# KiCad board Keyboard.kicad_pcb (continued)
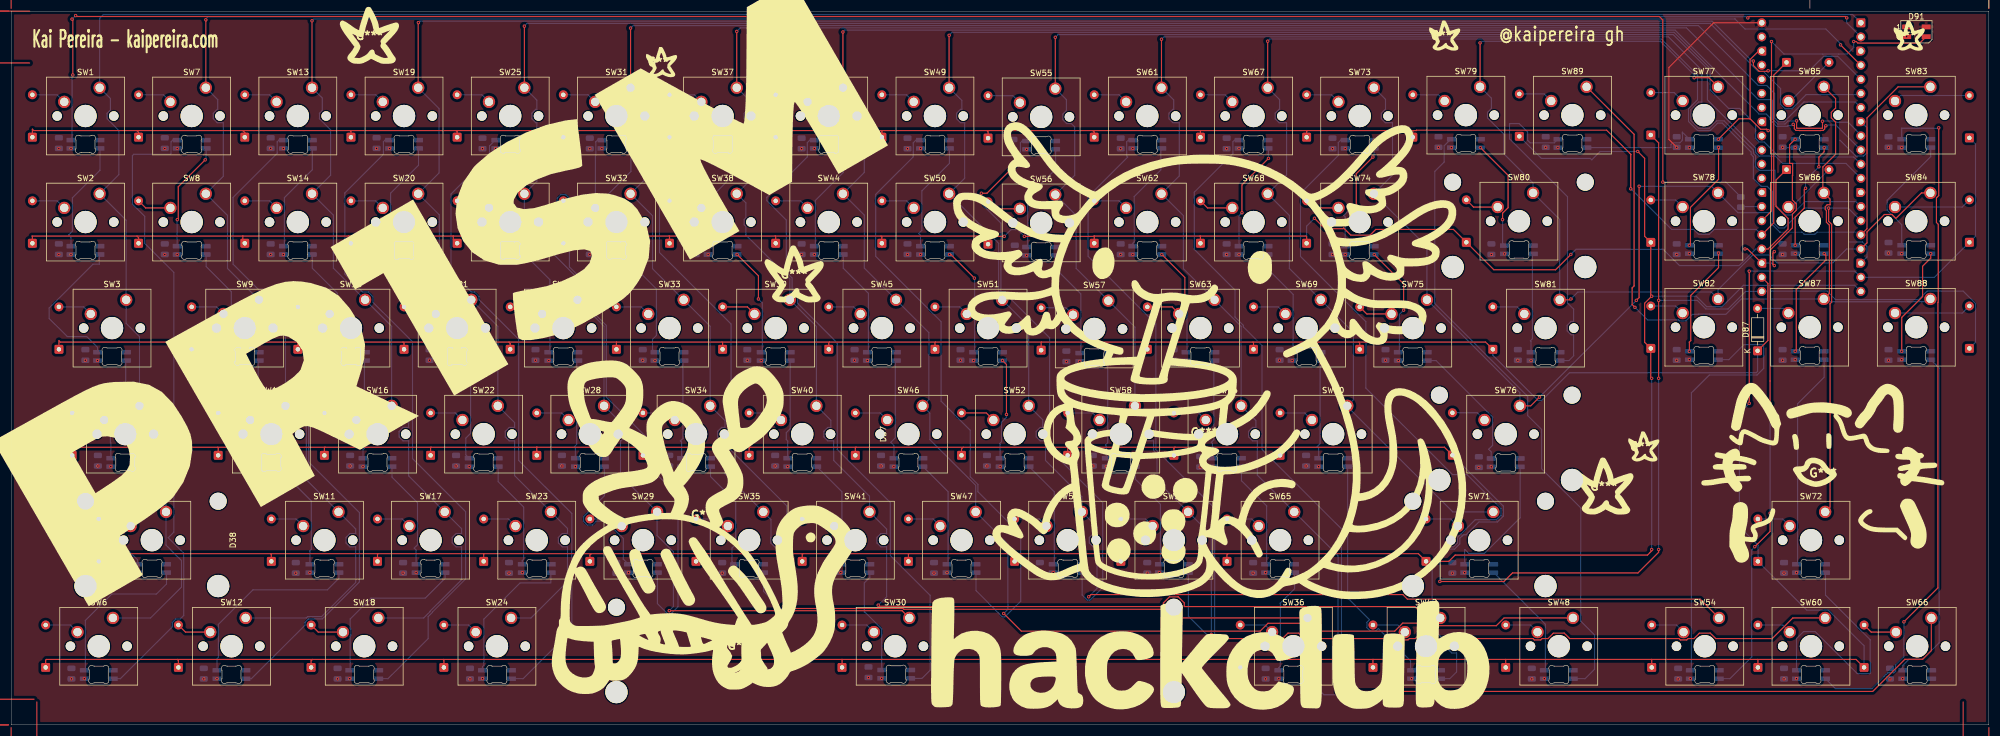
[diagram p0: board, top side]
## Routing (per net, layer and track width the routed paths; a pad name or vN(x,y) marks a point on that pad's centre or on a via; arc(x,y) is an arc through that point) (continued)
POWER LED: length 63.9
  Top w0.2: U1.26 315.81,92.32 v1(315.81,122.76) ; v1(330.56,122.76) 331.03,122.76 331.3,122.49 342.42,122.49 D91.3 343.56,123.76
  Bottom w0.2: v1(330.56,122.76) 330.56,121.69 329.38,120.51 327.87,120.51 327.87,120.51 325,120.51 325,120.51 318.06,120.51 v1(315.81,122.76)
Row 0: length 487.1
  Top w0.2: 294.31,11.76 294.32,11.75 D54.1 ; 294.31,11.76 313.31,11.76 ; 294.31,11.76 268.06,11.76 ; D18.1 53.82,11.51 54.06,11.76 ; D48.1 268.13,11.69 268.06,11.76 ; 313.31,11.76 313.37,11.7 D60.1 ; 313.31,11.76 330.99,11.76 D66.1 ; 149.06,11.76 220.56,11.76 ; 149.06,11.76 149.07,11.75 D30.1 ; 149.06,11.76 77.56,11.76 ; 220.56,11.76 244.31,11.76 ; 220.56,11.76 220.5,11.7 D36.1 ; D6.1 6.19,11.63 6.31,11.76 29.81,11.76 ; 244.31,11.76 244.32,11.75 D42.1 ; 244.31,11.76 268.06,11.76 ; 29.81,11.76 30,11.56 D12.1 ; 29.81,11.76 54.06,11.76 ; v1(311.81,57.76) v1(311.81,81.51) ; 54.06,11.76 77.56,11.76 ; 77.56,11.76 77.63,11.69 D24.1
  Bottom w0.2: v1(311.81,81.51) 330.74,81.51 U1.19 345.02,80.41 D84.1 352.41,87.8 352.41,104.35 D83.1 ; D66.1 332.42,14.21 326.02,20.61 322.13,20.61 D72.1 313.41,29.41 313.41,32.26 310.06,35.61 310.06,56.01 v1(311.81,57.76)
Row 1: length 433.6
  Top w0.2: 46.56,30.76 65.81,30.76 ; 46.56,30.76 46.67,30.65 D11.1 ; 46.56,30.76 15.81,30.76 15.72,30.66 D5.1 ; 65.81,30.76 65.72,30.67 D17.1 ; 65.81,30.76 84.81,30.76 ; v1(291.81,103.01) 293.05,101.76 293.05,87.78 D78.1 294.16,77.16 v1(294.31,77.01) 293.05,75.75 293.05,68.73 D82.1 294.16,62.41 v1(294.31,62.26) ; 199.06,30.76 199.07,30.75 D59.1 ; 199.06,30.76 218.31,30.76 ; 199.06,30.76 179.81,30.76 ; 218.31,30.76 218.12,30.57 D65.1 ; 218.31,30.76 252.45,30.76 D71.1 257.93,29.37 259.06,30.51 293.56,30.51 294.31,31.26 v1(294.31,31.51) ; 104.06,30.76 122.56,30.76 ; 104.06,30.76 103.82,30.52 D29.1 ; 104.06,30.76 84.81,30.76 ; 122.56,30.76 122.87,30.45 D35.1 ; 122.56,30.76 142.06,30.76 ; 179.81,30.76 161.06,30.76 ; 179.81,30.76 180.02,30.55 D53.1 ; 161.06,30.76 160.97,30.67 D47.1 ; 161.06,30.76 142.06,30.76 ; 142.06,30.76 141.92,30.62 D41.1 ; D23.1 84.77,30.72 84.81,30.76
  Bottom w0.2: D89.1 274.54,101.76 283.31,101.76 283.56,101.51 285.06,103.01 v1(291.81,103.01) ; v1(294.31,31.51) v1(294.31,62.26) ; v1(294.31,77.01) 302.31,77.01 304.2,75.12 306.92,75.12 310.77,78.97 330.74,78.97 U1.20
Row 2: length 487.6
  Top w0.2: D58.1 189.55,49.61 189.81,49.88 ; D52.1 170.5,49.56 170.81,49.88 ; 170.81,49.88 189.81,49.88 ; 170.81,49.88 151.56,49.88 ; 189.81,49.88 208.81,49.88 ; v1(295.56,62.26) v1(295.56,76.26) 295.56,104.56 D77.1 ; 113.31,49.88 132.56,49.88 ; 113.31,49.88 113.35,49.84 D34.1 ; 113.31,49.88 94.31,49.88 ; 132.56,49.88 151.56,49.88 ; 132.56,49.88 132.4,49.71 D40.1 ; D4.1 10.95,50.15 11.06,50.26 11.44,49.88 37.06,49.88 ; 227.56,49.88 227.65,49.79 D70.1 ; 227.56,49.88 208.81,49.88 ; 227.56,49.88 257.13,49.88 D76.1 ; 151.56,49.88 151.45,49.76 D46.1 ; D22.1 75.25,49.81 75.31,49.88 ; 94.31,49.88 94.3,49.86 D28.1 ; 94.31,49.88 75.31,49.88 ; 208.81,49.88 208.6,49.66 D64.1 ; 75.31,49.88 56.31,49.88 ; D10.1 37.15,49.79 37.06,49.88 ; 37.06,49.88 56.31,49.88 ; 56.31,49.88 56.2,49.76 D16.1 ; v1(295.56,31.51) 295.56,31.01 291.85,27.29 269.35,27.29 267.81,25.76 v1(256.31,25.76)
  Bottom w0.2: v1(295.56,31.51) v1(295.56,62.26) ; D88.1 352.41,68.73 352.41,75.7 350.2,77.92 343.74,77.92 342.23,76.41 327.29,76.41 325.78,77.92 314.11,77.92 U1.21 311.17,77.87 308.02,74.72 304.04,74.72 302.5,76.26 v1(295.56,76.26) ; D76.1 267.71,39.3 267.71,37.51 266.65,36.46 263.32,36.46 261.02,34.15 260.54,34.15 260.3,33.92 260.29,33.92 259.89,33.51 259.89,32.52 258.95,31.58 257.95,31.58 257.23,30.86 256.73,30.86 256.31,30.44 v1(256.31,25.76)
Row 3: length 347.9
  Top w0.2: D69.1 222.88,68.7 222.81,68.77 ; D27.1 89.53,68.55 89.31,68.77 ; 89.31,68.77 70.31,68.77 ; 89.31,68.77 108.56,68.77 ; 127.56,68.77 127.64,68.7 D39.1 ; 127.56,68.77 108.56,68.77 ; 127.56,68.77 146.81,68.77 ; 203.81,68.77 203.84,68.75 D63.1 ; 203.81,68.77 222.81,68.77 ; 203.81,68.77 184.81,68.77 ; D45.1 146.69,68.64 146.81,68.77 ; 165.81,68.77 184.81,68.77 ; 165.81,68.77 146.81,68.77 ; 165.81,68.77 165.74,68.69 D51.1 ; 184.81,68.77 184.78,68.74 D57.1 ; 222.81,68.77 241.81,68.77 ; 241.81,68.77 264.51,68.77 D81.1 ; 241.81,68.77 241.94,68.65 D75.1 ; 70.31,68.77 51.56,68.77 ; 70.31,68.77 70.48,68.6 D21.1 ; D9.1 32.38,68.7 32.31,68.77 ; D3.1 8.57,69 8.8,68.77 32.31,68.77 ; 51.56,68.77 51.44,68.64 D15.1 ; 51.56,68.77 32.31,68.77 ; D33.1 108.58,68.75 108.56,68.77 ; U1.22 315.16,79.31 315.16,69.05 D87.1
  Bottom w0.2: D81.1 265.81,66.41 273.96,58.26 274.56,58.26 279.56,63.26 313.06,63.26 313.31,63.51 D87.1
Row 4: length 360.6
  Top w0.2: D68.1 213.36,87.77 213.31,87.82 ; 22.56,87.82 41.56,87.82 ; 22.56,87.82 3.75,87.82 3.81,87.76 D2.1 ; 22.56,87.82 22.86,87.52 D8.1 ; 41.56,87.82 60.56,87.82 ; 41.56,87.82 41.56,86.87 D14.1 ; 175.26,87.77 175.27,87.76 v1(178.16,87.76) ; 175.26,87.77 D56.1 ; 175.26,87.77 175.31,87.82 156.06,87.82 ; 118.06,87.82 137.06,87.82 ; 118.06,87.82 98.56,87.82 ; 118.06,87.82 118.11,87.77 D38.1 ; 137.06,87.82 137.16,87.72 D44.1 ; 137.06,87.82 156.06,87.82 ; 98.56,87.82 99.06,87.32 D32.1 ; 98.56,87.82 79.31,87.82 ; 60.56,87.82 60.56,86.92 D20.1 ; 60.56,87.82 79.31,87.82 ; D86.1 316.61,97.87 316.61,93.15 318.78,90.98 318.78,89.07 315.19,85.49 U1.24 ; 156.06,87.82 156.21,87.67 D50.1 ; v1(181.78,87.76) 194.25,87.76 194.31,87.82 ; 194.31,87.82 194.31,87.82 D62.1 ; 194.31,87.82 213.31,87.82 ; 79.31,87.82 79.31,87.22 D26.1 ; D74.1 232.41,87.72 232.31,87.82 213.31,87.82 ; v1(233.81,91.01) 235.69,89.13 238.93,89.13 239.06,89.26 240.34,87.98 243.78,87.98 244.81,89.01 258.75,89.01 D80.1 266,81.76 277.06,81.76 v1(279.81,84.51)
  Bottom w0.2: U1.24 312.98,85.49 310,82.51 299.3,82.51 296.36,85.45 280.75,85.45 v1(279.81,84.51) ; D74.1 232.41,89.6 v1(233.81,91.01) ; v1(181.78,87.76) 180.53,89.01 180.24,89.01 180.2,88.97 179.38,88.97 v1(178.16,87.76)
Row 5: length 373.5
  Top w0.2: 22.56,106.76 41.56,106.76 ; 22.56,106.76 22.86,106.46 D7.1 ; 22.56,106.76 4.06,106.76 3.81,107.01 3.81,107 D1.1 ; 41.56,106.76 41.91,106.41 D13.1 ; 41.56,106.76 60.81,106.76 ; D55.1 175.26,106.56 175.06,106.76 ; 251.31,106.76 251.46,106.61 D79.1 ; 251.31,106.76 252.06,106.76 252.13,106.83 286.24,106.83 290.56,102.51 290.56,102.41 290.56,102.41 v1(290.56,96.3) ; 251.31,106.76 232.56,106.76 ; 232.56,106.76 232.41,106.6 D73.1 ; 232.56,106.76 213.31,106.76 ; D49.1 156.21,106.65 156.31,106.76 ; D37.1 118.11,106.55 118.31,106.76 ; 156.31,106.76 175.06,106.76 ; 156.31,106.76 136.81,106.76 ; 118.31,106.76 136.81,106.76 ; 118.31,106.76 98.81,106.76 ; 136.81,106.76 137.16,106.41 D43.1 ; D67.1 213.36,106.71 213.31,106.76 ; U1.25 316.21,90.18 316.21,116.72 D85.1 ; 213.31,106.76 194.06,106.76 ; 194.06,106.76 194.31,106.51 D61.1 ; 194.06,106.76 175.06,106.76 ; 98.81,106.76 99.06,106.51 D31.1 ; 98.81,106.76 79.81,106.76 ; 60.81,106.76 60.96,106.61 D19.1 ; 60.81,106.76 79.81,106.76 ; 79.81,106.76 80.01,106.56 D25.1
  Bottom w0.2: v1(290.56,96.3) 290.6,96.3 297.89,89.01 301.84,89.01 302.71,88.14 304.65,88.14 305.52,89.01 313.08,89.01 U1.25
Net-(D1-A): length 6.2
  Bottom w0.2: SW1.2 8.26,113.19 D1.2
Net-(D2-A): length 6.2
  Bottom w0.2: SW2.2 8.26,94.14 D2.2
Net-(D3-A): length 6.2
  Bottom w0.2: D3.2 13.02,75.09 SW3.2
Net-(D4-A): length 6.2
  Bottom w0.2: D4.2 15.4,56.04 SW4.2
Net-(D5-A): length 6.2
  Bottom w0.2: SW5.2 20.16,36.99 D5.2
Net-(D6-A): length 6.2
  Bottom w0.2: SW6.2 10.64,17.94 D6.2
Net-(D7-A): length 6.2
  Bottom w0.2: SW7.2 27.3,113.19 D7.2
Net-(D8-A): length 6.2
  Top w0.2: SW8.2 24.13,92.87 D8.2
Net-(D9-A): length 6.2
  Bottom w0.2: SW9.2 36.83,75.09 D9.2
Net-(D10-A): length 6.2
  Bottom w0.2: SW10.2 41.59,56.04 D10.2
Net-(D11-A): length 6.2
  Bottom w0.2: 52.39,35.72 51.12,36.99 D11.2
Net-(D12-A): length 6.2
  Top w0.2: SW12.2 31.27,16.67 D12.2
Net-(D13-A): length 6.2
  Bottom w0.2: SW13.2 46.36,113.19 D13.2
Net-(D14-A): length 6.2
  Bottom w0.2: D14.2 46.36,94.14 SW14.2
Net-(D15-A): length 6.2
  Bottom w0.2: SW15.2 55.88,75.09 D15.2
Net-(D16-A): length 6.2
  Bottom w0.2: D16.2 60.64,56.04 SW16.2
Net-(D17-A): length 6.2
  Bottom w0.2: SW17.2 70.17,36.99 D17.2
Net-(D18-A): length 6.2
  Top w0.2: D18.2 55.09,16.67 SW18.2
Net-(D19-A): length 6.2
  Bottom w0.2: SW19.2 65.41,113.19 D19.2
Net-(D20-A): length 6.2
  Bottom w0.2: D20.2 65.41,94.14 SW20.2
Net-(D21-A): length 6.2
  Bottom w0.2: D21.2 74.93,75.09 SW21.2
Net-(D22-A): length 6.2
  Bottom w0.2: D22.2 79.69,56.04 SW22.2
Net-(D23-A): length 6.2
  Bottom w0.2: SW23.2 89.22,36.99 D23.2
Net-(D24-A): length 6.2
  Bottom w0.2: SW24.2 82.07,17.94 D24.2
Net-(D25-A): length 6.2
  Bottom w0.2: D25.2 84.45,113.19 SW25.2
Net-(D26-A): length 6.2
  Bottom w0.2: SW26.2 84.45,94.14 D26.2
Net-(D27-A): length 6.2
  Bottom w0.2: D27.2 93.98,75.09 SW27.2
Net-(D28-A): length 6.2
  Bottom w0.2: SW28.2 98.74,56.04 D28.2
Net-(D29-A): length 6.2
  Bottom w0.2: 109.54,35.72 108.27,36.99 D29.2
Net-(D30-A): length 6.2
  Bottom w0.2: SW30.2 153.51,17.94 D30.2
Net-(D31-A): length 6.2
  Bottom w0.2: D31.2 103.5,113.19 SW31.2
Net-(D32-A): length 6.2
  Bottom w0.2: SW32.2 103.5,94.14 D32.2
Net-(D33-A): length 6.2
  Bottom w0.2: SW33.2 113.03,75.09 D33.2
Net-(D34-A): length 6.2
  Bottom w0.2: SW34.2 117.79,56.04 D34.2
Net-(D35-A): length 6.2
  Bottom w0.2: D35.2 127.32,36.99 SW35.2
Net-(D36-A): length 6.2
  Bottom w0.2: SW36.2 224.95,17.94 D36.2
Net-(D37-A): length 6.2
  Bottom w0.2: D37.2 122.56,113.19 SW37.2
Net-(D38-A): length 6.2
  Bottom w0.2: SW38.2 122.56,94.14 D38.2
Net-(D39-A): length 6.2
  Top w0.2: D39.2 132.08,75.09 SW39.2
Net-(D40-A): length 6.2
  Bottom w0.2: SW40.2 136.84,56.04 D40.2
Net-(D41-A): length 6.2
  Bottom w0.2: D41.2 146.37,36.99 147.64,35.72
Net-(D42-A): length 6.2
  Bottom w0.2: SW42.2 248.76,17.94 D42.2
Net-(D43-A): length 6.2
  Bottom w0.2: D43.2 141.61,113.19 SW43.2
Net-(D44-A): length 6.2
  Bottom w0.2: SW44.2 141.61,94.14 D44.2
Net-(D45-A): length 6.2
  Bottom w0.2: SW45.2 151.13,75.09 D45.2
Net-(D46-A): length 6.2
  Bottom w0.2: SW46.2 155.89,56.04 D46.2
Net-(D47-A): length 6.2
  Bottom w0.2: D47.2 165.42,36.99 SW47.2
Net-(D48-A): length 6.2
  Bottom w0.2: D48.2 272.57,17.94 SW48.2
Net-(D49-A): length 6.2
  Bottom w0.2: SW49.2 160.66,113.19 D49.2
Net-(D50-A): length 6.2
  Bottom w0.2: D50.2 160.66,94.14 SW50.2
Net-(D51-A): length 6.2
  Bottom w0.2: SW51.2 170.18,75.09 D51.2
Net-(D52-A): length 6.2
  Top w0.2: SW52.2 174.94,56.04 D52.2
Net-(D53-A): length 6.2
  Bottom w0.2: SW53.2 184.47,36.99 D53.2
Net-(D54-A): length 6.2
  Bottom w0.2: SW54.2 298.77,17.94 D54.2
Net-(D55-A): length 6.2
  Bottom w0.2: D55.2 179.71,113.03 SW55.2
Net-(D56-A): length 6.2
  Top w0.2: SW56.2 176.53,92.71 D56.2
Net-(D57-A): length 6.2
  Bottom w0.2: SW57.2 189.23,74.93 D57.2
Net-(D58-A): length 6.2
  Bottom w0.2: D58.2 193.99,56.04 SW58.2
Net-(D59-A): length 6.2
  Bottom w0.2: D59.2 203.52,36.99 SW59.2
Net-(D60-A): length 6.2
  Bottom w0.2: SW60.2 317.82,17.94 D60.2
Net-(D61-A): length 6.2
  Bottom w0.2: SW61.2 198.75,113.19 D61.2
Net-(D62-A): length 6.2
  Bottom w0.2: D62.2 198.75,94.14 SW62.2
Net-(D63-A): length 6.2
  Top w0.2: SW63.2 208.28,75.09 D63.2
Net-(D64-A): length 6.2
  Bottom w0.2: D64.2 213.04,56.04 SW64.2
Net-(D65-A): length 6.2
  Bottom w0.2: D65.2 222.57,36.99 SW65.2
Net-(D66-A): length 6.2
  Top w0.2: SW66.2 333.69,16.67 D66.2
Net-(D67-A): length 6.2
  Bottom w0.2: D67.2 217.81,113.19 SW67.2
Net-(D68-A): length 6.2
  Top w0.2: SW68.2 214.63,92.87 D68.2
Net-(D69-A): length 6.2
  Bottom w0.2: D69.2 227.33,75.09 SW69.2
Net-(D70-A): length 6.2
  Bottom w0.2: SW70.2 232.09,56.04 D70.2
Net-(D71-A): length 6.2
  Bottom w0.2: D71.2 258.29,36.99 SW71.2
Net-(D72-A): length 6.2
  Bottom w0.2: D72.2 317.82,36.99 SW72.2
Net-(D73-A): length 6.2
  Bottom w0.2: SW73.2 236.85,113.19 D73.2
Net-(D74-A): length 6.2
  Top w0.2: D74.2 233.68,92.87 SW74.2
Net-(D75-A): length 6.2
  Top w0.2: SW75.2 243.21,73.82 D75.2
Net-(D76-A): length 6.3
  Bottom w0.2: D76.2 263.02,56.07 SW76.2
Net-(D77-A): length 6.3
  Bottom w0.2: SW77.2 298.36,113.59 D77.2
Net-(D78-A): length 6.2
  Bottom w0.2: SW78.2 298.6,94.3 D78.2
Net-(D79-A): length 6.2
  Bottom w0.2: D79.2 256.06,113.19 SW79.2
Net-(D80-A): length 6.2
  Top w0.2: SW80.2 262.35,93.03 D80.2
Net-(D81-A): length 6.2
  Bottom w0.2: D81.2 270.19,75.09 SW81.2
Net-(D82-A): length 6.2
  Bottom w0.2: SW82.2 298.6,75.25 D82.2
Net-(D83-A): length 13.8
  Bottom w0.2: D83.2 338.96,113.07 SW83.2
Net-(D84-A): length 13.9
  Bottom w0.2: SW84.2 350.02,93.03 D84.2
Net-(D85-A): length 10.1
  Bottom w0.2: SW85.2 319.19,112.08 D85.2
Net-(D86-A): length 10.1
  Bottom w0.2: D86.2 319.39,93.03 SW86.2
Net-(D87-A): length 5.9
  Bottom w0.2: SW87.2 318.01,74.82 D87.2
Net-(D88-A): length 13.9
  Bottom w0.2: SW88.2 350.04,73.98 D88.2
Net-(D89-A): length 6.2
  Bottom w0.2: SW89.2 275.01,113.35 D89.2
Net-(D90-DIN): length 20.1
  Bottom w0.2: D90.3 10.73,87.58 10.31,88.01 10.98,88.68 10.98,94.68 15.93,99.63 D92.1
Net-(D90-DOUT): length 27.9
  Bottom w0.2: D93.3 15.5,67.82 13.56,69.76 10.06,69.76 6.81,73.01 6.81,74.89 14.68,82.76 15.81,82.76 15.81,84.38 D90.1 15.75,84.31
Net-(D92-DIN): length 352.1
  Top w0.2: v1(296.31,97.51) 296.31,126.62 295.67,127.26 11.72,127.26 v1(11.56,127.42) ; v1(10.93,126.78) 11.06,126.65 v1(11.06,116.76)
  Bottom w0.2: v1(11.06,116.76) 10.93,116.62 10.93,105.24 D92.3 ; v1(296.31,97.51) 307.64,97.51 R1.2 ; v1(10.93,126.78) v1(11.56,127.42)
Net-(D93-DOUT): length 18.8
  Bottom w0.2: 20.7,65.45 20.54,65.3 20.54,59.99 18.07,57.51 18.07,54.19 17.81,53.93 17.81,50.76 17.88,50.69 D94.3
Net-(D94-DOUT): length 29.7
  Bottom w0.2: 22.89,46.21 D94.1 23.08,44.02 23.06,44.01 21.18,44.01 14.06,36.89 14.06,32.76 15.06,31.76 20.56,31.76 22.68,29.64 D95.3 22.68,29.14
Net-(D95-DOUT): length 28.4
  Bottom w0.2: D95.1 27.88,25.32 26.06,23.51 18.06,23.51 13.31,18.76 13.31,10 D96.3
Net-(D96-DOUT): length 115.5
  Bottom w0.2: D97.3 28.98,105.05 28.68,104.75 28.68,102.63 28.56,102.51 22,102.51 21.76,102.27 21.76,93.56 23.96,91.36 23.96,86.51 29.18,81.28 29.18,34.62 28.18,33.62 30.96,30.84 30.96,19.66 30.35,19.04 29.55,19.04 28.9,18.39 28.9,17.6 19.61,8.3 D96.1
Net-(D97-DOUT): length 19.7
  Top w0.2: v1(29.81,90.76) 29.98,90.92 29.98,96.67 v1(34.81,101.51)
  Bottom w0.2: D97.1 34.98,101.68 v1(34.81,101.51) ; D98.3 29.79,90.73 v1(29.81,90.76)
Net-(D98-DOUT): length 19.5
  Bottom w0.2: D99.3 39.5,67.14 39.5,77.82 34.98,82.33 D98.1
Net-(D100-DIN): length 17.9
  Bottom w0.2: D99.1 44.32,65.26 44.32,50.77 43.81,50.26 44.07,50 D100.3
Net-(D100-DOUT): length 19.6
  Bottom w0.2: D100.1 49.27,44.8 53.85,40.22 53.85,31.54 53.56,31.26 53.6,31.22 D101.3
Net-(D101-DOUT): length 34.5
  Bottom w0.2: D102.3 36.93,11.64 36.81,11.76 37.18,12.12 37.18,18.05 43.38,24.26 56.73,24.26 58.8,26.33 D101.1
Net-(D102-DOUT): length 120.9
  Bottom w0.2: D103.3 48.03,105.05 47.73,104.75 47.73,102.68 39.81,94.76 39.81,82.76 44.81,77.76 45.03,77.76 45.85,76.94 45.85,76.72 53.35,69.21 53.35,47.26 62.48,38.13 62.48,25.67 55.85,19.04 53.36,19.04 52.72,18.39 52.72,17.91 43.11,8.3 D102.1
Net-(D103-DOUT): length 19.7
  Bottom w0.2: D103.1 54.03,99.73 49.03,94.72 49.03,86.19 D104.3
Net-(D104-DOUT): length 19.5
  Bottom w0.2: D105.3 58.55,67.14 58.55,77.52 54.03,82.03 D104.1
Net-(D105-DOUT): length 17.7
  Bottom w0.2: D105.1 63.37,65.26 63.37,49.7 63.12,49.45 D106.3
Net-(D106-DOUT): length 19.8
  Bottom w0.2: D107.3 72.65,31.42 72.31,31.76 72.9,32.34 72.9,39.92 68.32,44.5 D106.1
Net-(D107-DOUT): length 30.4
  Bottom w0.2: D108.3 60.83,9.88 60.83,15.98 60.93,16.09 60.93,17.25 60.83,17.36 60.83,19.02 64.56,22.76 74.28,22.76 77.85,26.33 D107.1
Net-(D108-DOUT): length 117.6
  Bottom w0.2: D108.1 67.6,8.3 74.81,15.51 74.81,19.44 75.56,20.19 75.56,20.26 81.53,26.22 81.53,38.3 72,47.83 72,68.82 64.9,75.92 64.9,76.94 64.08,77.76 63.06,77.76 59.86,80.96 59.86,95.55 66.81,102.51 66.78,102.53 66.78,104.75 67.09,105.05 D109.3
Net-(D109-DOUT): length 19.7
  Bottom w0.2: D109.1 73.09,100.53 68.08,95.52 68.08,86.19 D110.3
Net-(D110-DOUT): length 19.5
  Bottom w0.2: D111.3 77.6,67.14 77.6,77.97 73.09,82.48 D110.1
Net-(D111-DOUT): length 18.2
  Bottom w0.2: D111.1 82.42,65.26 82.42,52.37 81.56,51.51 81.56,48.51 D112.3
Net-(D112-DOUT): length 19.5
  Bottom w0.2: D112.1 87.37,43.7 91.95,39.12 91.95,29.75 91.7,29.5 D113.3
Net-(D113-DOUT): length 25.9
  Bottom w0.2: D114.3 84.55,10.45 84.8,10.7 84.8,19 91.31,25.51 96.81,25.51 96.81,27.26 D113.1
Net-(D114-DOUT): length 115.2
  Bottom w0.2: D115.3 86.85,105.05 85.81,104.02 85.81,102.26 78.91,95.35 78.91,81.41 82.56,77.76 83.13,77.76 83.95,76.94 83.95,76.37 91.05,69.27 91.05,47.51 100.58,37.98 100.58,17.02 91.86,8.3 D114.1
Net-(D115-DOUT): length 20.7
  Bottom w0.2: D115.1 92.14,100.08 87.13,95.07 87.13,92.29 86.31,91.47 86.15,91.47 85.81,91.13 85.81,87.12 D116.3
Net-(D116-DOUT): length 19.5
  Bottom w0.2: D116.1 96.65,79.98 96.65,67.14 D117.3
Net-(D117-DOUT): length 17.9
  Bottom w0.2: D118.3 101.22,49.85 101.06,50.01 101.47,50.42 101.47,65.26 D117.1
Net-(D118-DOUT): length 25.4
  Bottom w0.2: D119.3 109.81,29.78 109.81,33.51 109,34.32 108.96,34.32 108.14,35.14 108.14,35.18 106.73,36.59 104.92,36.59 104.92,36.53 104.28,35.89 103.37,35.89 102.72,36.53 102.72,37.44 106.42,41.15 D118.1
Net-(D119-DOUT): length 117.8
  Bottom w0.2: D120.3 105.19,105.05 104.88,104.75 104.88,102.33 104.81,102.26 104.81,95.31 103.86,94.35 103.67,94.54 100.16,94.54 100.16,94.59 99.52,95.24 98.6,95.24 97.96,94.59 97.96,93.68 98.6,93.04 99.52,93.04 100.16,93.68 100.16,93.74 103.24,93.74 100.16,90.66 100.16,82.27 102,80.43 102,79.95 103.31,78.64 103.31,75.21 106.76,71.76 106.76,58.89 114.45,51.2 114.45,46.37 119.63,41.19 119.63,21.22 118.31,19.91 117.81,19.91 115.95,21.77 115.95,27.35
Net-(D120-DOUT): length 20.1
  Bottom w0.2: D120.1 111.19,99.41 106.23,94.46 106.23,88.68 105.56,88.01 105.56,86.42 D121.3
Net-(D121-DOUT): length 19.9
  Bottom w0.2: D122.3 115.06,67.4 115.06,69.26 115.76,69.95 115.76,78.31 111.19,82.88 D121.1
Net-(D122-DOUT): length 17.9
  Bottom w0.2: D122.1 120.52,65.26 120.52,51.47 120.06,51.01 120.27,50.8 D123.3
Net-(D123-DOUT): length 19.9
  Bottom w0.2: D124.3 129.31,29.33 129.31,31.76 129.99,32.43 129.99,40.08 125.47,44.6 D123.1
Net-(D124-DOUT): length 106.8
  Bottom w0.2: D125.3 124.23,105.05 123.93,104.75 123.93,102.63 124.06,102.51 116.31,94.76 116.31,84.85 129.15,72.01 129.15,49.33 139.16,39.32 139.16,21.01 138.81,20.66 138.31,20.66 135,23.97 D124.1
Net-(D125-DOUT): length 19.7
  Bottom w0.2: D125.1 130.24,99.43 125.31,94.51 125.31,91.26 125.03,90.98 D126.3
Net-(D126-DOUT): length 19.5
  Top w0.2: v1(130.24,84.5) 134.06,80.67 v1(134.06,76.51)
  Bottom w0.2: D127.3 134.75,67.14 134.75,75.82 v1(134.06,76.51)
Net-(D127-DOUT): length 17.9
  Bottom w0.2: D127.1 139.76,53.2 139.06,52.51 139.06,51.26 139.32,51 D128.3
Net-(D128-DOUT): length 19.5
  Bottom w0.2: D129.3 149.04,29.04 149.04,41.88 D128.1
Net-(D129-DOUT): length 19.3
  Bottom w0.2: D130.3 156.18,9.86 156.18,17.25 153.18,20.26 153.06,20.26 153.06,25.51 154.05,26.49 D129.1
Net-(D130-DOUT): length 115.6
  Bottom w0.2: D131.3 143.28,105.05 142.84,104.6 142.84,102.03 135.56,94.76 135.56,94.18 139.06,90.68 139.06,81.32 140.1,80.28 140.1,77.76 140.28,77.76 141.1,76.94 141.1,75.78 141.07,75.75 148.2,68.62 148.2,49.46 157.73,39.94 157.73,30.41 164.87,23.27 164.87,9.82 163.41,8.35 D130.1
Net-(D131-DOUT): length 19.7
  Bottom w0.2: D131.1 149.28,99.23 144.28,94.22 144.28,86.19 D132.3
Net-(D132-DOUT): length 19.5
  Bottom w0.2: D132.1 149.28,82.03 153.8,77.52 153.8,67.14 D133.3
Net-(D133-DOUT): length 18.2
  Bottom w0.2: D134.3 158.37,50.2 157.81,50.76 158.62,51.57 158.62,65.26 D133.1
Net-(D134-DOUT): length 19.5
  Bottom w0.2: D134.1 168.09,41.88 168.09,29.04 D135.3
Net-(D135-DOUT): length 111.8
  Bottom w0.2: D136.3 162.34,105.05 161.84,104.55 161.84,102.03 155.11,95.3 155.11,84.16 166.84,72.43 166.84,58.14 172.06,52.92 172.06,44.57 173.44,43.2 173.44,41.88 181.12,34.2 181.12,22.22 178.31,19.41 177.81,19.41 173.1,24.12 D135.1
Net-(D136-DOUT): length 20
  Bottom w0.2: D137.3 163.13,87.93 162.81,88.26 163.38,88.83 163.38,95.92 168.34,100.87 D136.1
Net-(D137-DOUT): length 19.6
  Top w0.2: v1(172.81,80.26) 168.57,84.5 v1(168.34,84.5)
  Bottom w0.2: D138.3 172.85,67.14 172.85,80.22 v1(172.81,80.26)
Net-(D138-DOUT): length 19
  Top w0.2: v1(177.86,65.45) 178.56,64.75 v1(178.56,55.76)
  Bottom w0.2: v1(177.86,65.45) 178.31,65 ; D139.3 177.42,50.4 177.31,50.51 177.67,50.87 177.67,54.37 178.56,55.26 v1(178.56,55.76)
Net-(D139-DOUT): length 19.5
  Bottom w0.2: D140.3 187.14,29.04 187.14,41.88 D139.1
Net-(D140-DOUT): length 103.2
  Top w0.2: v1(181.06,101.51) 175.06,95.51 v1(174.06,95.51)
  Bottom w0.2: D141.3 181.38,104.89 181.06,104.57 v1(181.06,101.51) ; v1(174.06,95.51) 174.06,94.7 174.16,94.6 174.16,93.52 177.56,90.12 177.56,77.76 178.38,77.76 179.2,76.94 179.2,76.62 186.3,69.52 186.3,49.46 195.83,39.94 195.83,24.67 193.56,22.41 193.06,22.41 192.15,23.32 D140.1
Net-(D141-DOUT): length 19.7
  Bottom w0.2: D141.1 187.38,99.83 182.38,94.82 182.38,86.03 D142.3
Net-(D142-DOUT): length 19.5
  Bottom w0.2: D143.3 191.9,66.98 191.9,77.42 187.38,81.93 D142.1
Net-(D143-DOUT): length 17.7
  Bottom w0.2: D143.1 196.72,65.1 196.72,50.67 196.31,50.26 196.47,50.1 D144.3
Net-(D144-DOUT): length 19.5
  Bottom w0.2: D144.1 201.67,44.15 206.19,39.63 206.19,29.04 D145.3
Net-(D145-DOUT): length 116.7
  Bottom w0.2: D145.1 211.2,19.5 215.06,15.64 215.56,15.64 215.91,15.99 215.91,38.9 205.35,49.46 205.35,72.01 193.21,84.16 193.21,94.9 200.31,102.01 200.13,102.18 200.13,104.75 200.44,105.05 D146.3
Net-(D146-DOUT): length 19.7
  Bottom w0.2: D147.3 201.24,86.51 201.48,86.76 201.48,94.93 206.25,99.7 206.25,103.37 D146.1
Net-(D147-DOUT): length 19.5
  Top w0.2: v1(206.44,84.5) 210.56,80.37 v1(210.56,75.51)
  Bottom w0.2: v1(210.56,75.51) 210.95,75.12 210.95,67.14 D148.3
Net-(D148-DOUT): length 17.9
  Bottom w0.2: D149.3 215.52,50.55 215.31,50.76 215.77,51.22 215.77,65.26 D148.1
Net-(D149-DOUT): length 19.5
  Bottom w0.2: D149.1 220.72,43.85 225.24,39.33 225.24,29.04 D150.3
Net-(D150-DOUT): length 18.7
  Bottom w0.2: D150.1 230.25,24.44 227.68,21.87 227.68,10.53 227.43,10.28 D151.3
Net-(D151-DOUT): length 121.4
  Bottom w0.2: D152.3 219.49,105.05 219.18,104.75 219.18,102.63 212.26,95.7 212.26,85.42 219.56,78.11 219.56,73.26 221.06,71.76 221.06,71.49 224.4,68.15 224.4,49.46 238.66,35.2 238.66,5.76 238.31,5.41 235.52,5.41 D151.1
Net-(D152-DOUT): length 19.8
  Top w0.2: v1(225.56,101.76) 220.81,97.01 v1(220.81,92.01)
  Bottom w0.2: v1(220.81,92.01) 220.28,91.48 D153.3 ; D152.1 225.56,103.47 v1(225.56,101.76)
Net-(D153-DOUT): length 19.5
  Bottom w0.2: D154.3 230,67.14 230,77.32 225.49,81.83 D153.1
Net-(D154-DOUT): length 17.9
  Bottom w0.2: D155.3 234.57,49.75 234.31,50.01 234.82,50.52 234.82,65.26 D154.1
Net-(D155-DOUT): length 44.4
  Bottom w0.2: D156.3 251.06,9.98 251.06,11.51 249.45,13.12 249.26,12.93 248.26,12.93 247.56,13.63 247.56,14.63 247.75,14.82 245.25,17.32 244.77,16.84 243.86,16.84 243.22,17.48 243.22,18.39 243.69,18.87 239.77,22.8 D155.1
Net-(D156-DOUT): length 129.7
  Bottom w0.2: D157.3 238.53,105.05 238.09,104.6 238.09,102.28 231.31,95.5 231.31,84.16 243.04,72.43 243.04,60.51 258.58,44.96 261.18,44.96 267.31,38.84 267.31,37.68 266.49,36.86 262.66,36.86 260.96,35.15 260.96,35.14 260.14,34.32 260.12,34.32 259.48,33.68 259.49,33.68 259.49,32.68 258.78,31.98 257.79,31.98 257.79,31.98 257.06,31.26 256.56,31.26 254.94,29.64 254.94,17.4 257.72,14.63 257.72,13.63 258.42,12.93 259.31,12.93 259.31,9.51 258.1,8.3 D156.1
Net-(D157-DOUT): length 20.5
  Top w0.2: v1(241.31,93.26) 241.31,99.01 v1(244.31,102.01)
  Bottom w0.2: D157.1 244.53,102.23 v1(244.31,102.01) ; 239.53,86.19 D158.3 239.34,91.23 239.06,91.51 240.81,93.26 v1(241.31,93.26)
Net-(D158-DOUT): length 20.1
  Top w0.2: v1(249.81,74.51) 249.81,79.22 v1(244.53,84.5)
  Bottom w0.2: v1(249.81,74.51) 249.05,73.74 249.05,67.14 D159.3
Net-(D159-DOUT): length 23.9
  Bottom w0.2: D159.1 255.62,65.45 265.78,55.29 265.78,50.22 265.06,49.51 265.53,49.04 D160.3
Net-(D160-DOUT): length 24.7
  Bottom w0.2: D160.1 270.73,37.22 264.34,30.83 261.49,30.83 260.81,31.51 260.77,31.46 D161.3
Net-(D161-DOUT): length 21.5
  Bottom w0.2: D161.1 275.24,18.08 275.24,9.99 D162.3
Net-(D162-DOUT): length 112.9
  Bottom w0.2: D162.1 282.36,8.3 284.06,10.01 284.06,16.16 281.59,18.63 281.59,38.97 274.56,46.01 274.56,53.08 272.07,55.57 272.07,59.01 255.4,75.68 255.4,99.43 257.09,101.11 257.09,104.03 258.26,105.21 D163.3
Net-(D163-DOUT): length 20.5
  Top w0.2: v1(263.59,103.71) 268.56,98.73 268.56,92.91 267.56,91.91 v1(267.56,90.76)
  Bottom w0.2: v1(267.56,90.76) 267.56,86.44 D164.3 268.09,86.29
Net-(D164-DOUT): length 17.9
  Bottom w0.2: D164.1 272.92,84.42 272.92,69.37 272.56,69.01 272.67,68.9 D165.3
Net-(D165-DOUT): length 62
  Bottom w0.2: D165.1 279.46,65.45 280.31,66.3 280.31,70.08 279.86,70.08 279.15,70.78 279.15,71.78 279.86,72.48 280.31,72.48 280.31,74.68 279.21,75.78 279.21,94.88 268.81,105.28 268.81,108.01 270.56,108.01 272.06,106.51 272.06,105.01 272.51,104.56 276.84,104.56 D166.3
Net-(D166-DOUT): length 21.3
  Bottom w0.2: D167.3 299.81,106.48 299.81,106.17 299.84,106.14 299.84,105.17 299.81,105.15 299.81,105.01 299.36,104.56 298.1,104.56 297.79,104.24 297.79,103.71 D166.1
Net-(D167-DOUT): length 19.8
  Top w0.2: v1(306.31,103.76) 306.31,98.01 301.27,92.97 301.27,86.35 v1(301.08,86.16)
  Bottom w0.2: D167.1 306.28,103.72 v1(306.31,103.76)
Net-(D168-DOUT): length 19.9
  Top w0.2: v1(306.31,84.76) 306.31,82.14 301.33,77.16 301.33,69.02 301.06,68.76 301.08,68.74 v1(301.08,67.11)
  Bottom w0.2: v1(306.31,84.76) 306.28,84.72 D168.1
Net-(D169-DOUT): length 78.2
  Bottom w0.2: D169.1 308.16,65.61 310.85,68.3 314.41,68.3 314.41,64.04 313.23,62.86 304.66,62.86 301.44,59.63 301.44,9.99 D170.3
Net-(D170-DOUT): length 105
  Top w0.2: v1(320.06,105.21) 319.06,104.21 319.06,100.86 319.6,100.86 319.6,98.66 319.56,98.66 319.56,94.3 320.25,93.61 320.25,92.45 319.56,91.76 319.56,89.29 315.56,85.29 315.56,61.76 315.56,61.76 v1(315.56,57.76) ; v1(312.81,32.01) 315.56,34.76 v1(315.56,38.01)
  Bottom w0.2: D170.1 308.36,8.3 312.27,12.22 312.27,31.47 v1(312.81,32.01) ; v1(315.56,57.76) v1(315.56,38.01)
Net-(D171-DOUT): length 19.7
  Top w0.2: v1(325.26,103.71) 325.26,102.95 324.31,102.01 v1(324.31,100.26) ; v1(320.06,86.16) 320.06,91.21 321.69,92.84 321.69,96.13 321.81,96.26 321.81,96.29 v1(321.92,96.4)
  Bottom w0.2: v1(324.31,100.26) 321.92,97.86 v1(321.92,96.4)
Net-(D172-DOUT): length 20
  Top w0.2: v1(320.06,67.11) 320.25,67.3 320.25,78.19 325.56,83.51 325.56,84.35 v1(325.26,84.66)
Net-(D173-DOUT): length 38.8
  Bottom w0.2: D173.1 325.26,62.45 320.49,57.68 320.49,29.04 D174.3
Net-(D174-DOUT): length 44
  Bottom w0.2: D175.3 320.3,15.49 321.56,16.76 323.65,16.76 331.19,9.22 333.52,9.22 333.52,15.28 325.5,23.31 D174.1
Net-(D175-DOUT): length 124.5
  Top w0.2: v1(345.81,107.26) 345.81,95.08 345.4,94.67 345.4,90.25 345.72,89.93 345.72,75.94 345.66,75.88 345.66,24.6 v1(339.56,18.51)
  Bottom w0.2: v1(339.56,18.51) 339.56,12.26 338.02,10.71 338.09,10.64 338.09,9.67 337.77,9.36 336.66,9.36 336.36,9.06 336.35,9.06 336.04,8.74 336.04,8.73 333.81,6.51 327.29,6.51 D175.1 ; v1(345.81,107.26) 345.74,107.19 339.13,107.19 339.18,107.14 D176.3
Net-(D176-DOUT): length 21.9
  Bottom w0.2: D177.3 339.18,89.84 336.57,92.45 336.57,94.26 344.38,102.07 D176.1
Net-(D177-DOUT): length 19.7
  Top w0.2: v1(339.18,67.11) 339.18,73.21 342.92,76.95 342.92,82.39 344.38,83.85 v1(344.38,84.66)
Net-(D178-DOUT): length 60.6
  Bottom w0.2: 339.35,9.8 339.35,10.65 340.48,11.78 342.92,11.78 345.89,14.74 345.89,64.1 D178.1

## Copper pours and planes (outline as drawn; the poured copper is in the pictures)
+5V on Top: 363.56,140.51 -16.69,140.51 -18.44,138.76 -18.44,-5.74 361.81,-5.74 363.56,-3.99
GND on Bottom: 366.31,146.26 -26.19,146.26 -26.19,-13.74 -24.94,-14.99 362.56,-14.99 369.56,-7.99 369.56,143.01

## Text on the board
F.Silkscreen: Kai Pereira - kaipereira.com | @kaipereira gh
